# Allegro board Coral-Dev-Board-Mini-layout-Allegro.brd (continued)
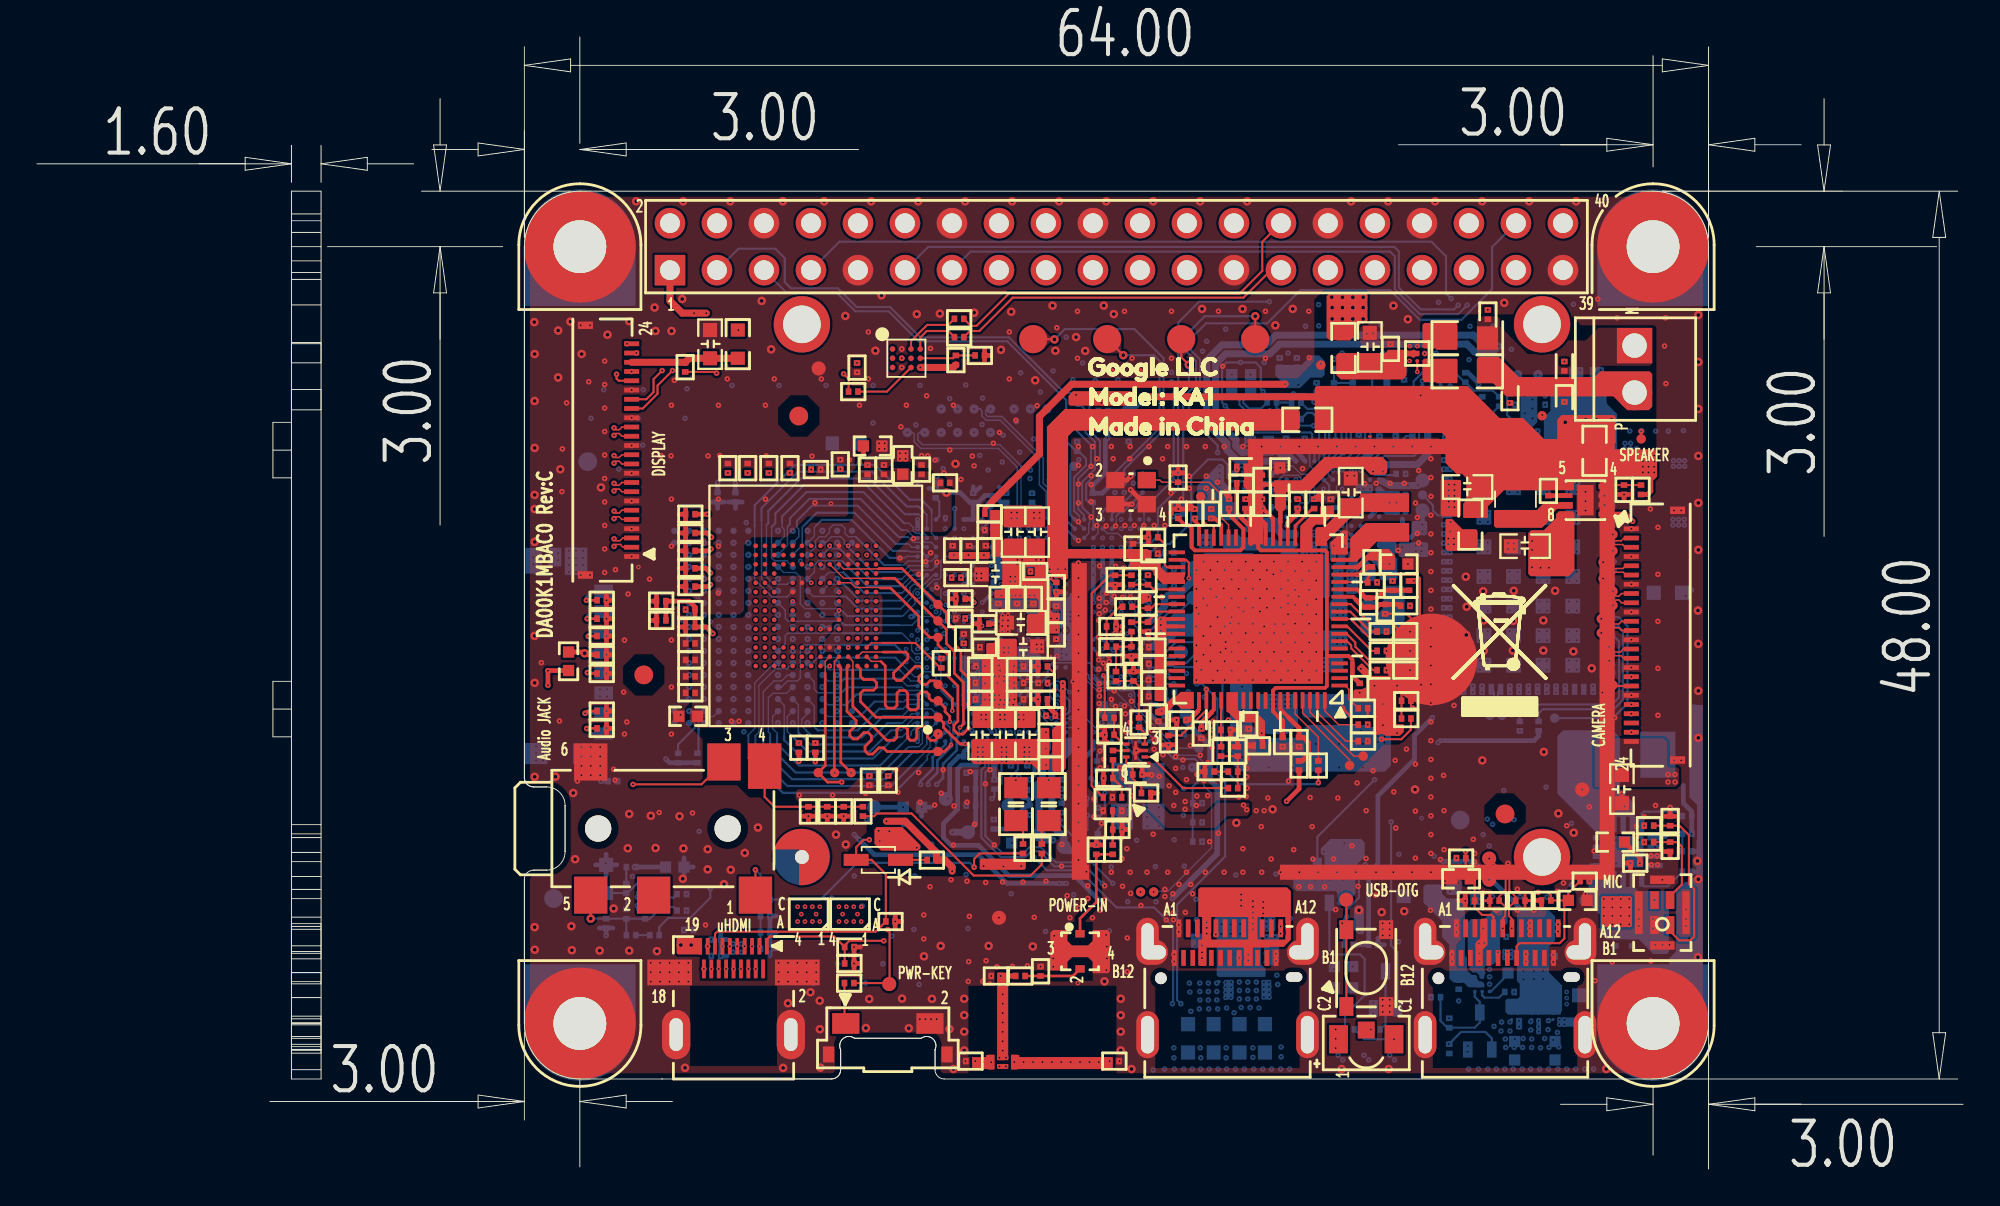
[diagram p0: board, top side]
## Routing (per net, layer and track width the routed paths; a pad name or vN(x,y) marks a point on that pad's centre or on a via; arc(x,y) is an arc through that point) (continued)
N18396783: length 38.4
  L03_IN1 w0.089: v2(63.71,12.68) 63.71,11.94 66.49,9.16 68.7,9.16 69.46,9.93 v15(69.72,9.93)
  L08_IN4 w0.089: v7(76.71,16.81) 76.71,15.92 76.56,15.77 75.67,15.77 75.24,15.34 65.62,15.34 64.39,14.12 63.91,14.12 63.63,13.84 63.63,12.34 61.75,10.46 61.75,9.49 62.13,9.11 62.13,8.82 62.03,8.72 62.03,8.43 62.31,8.15 66.59,8.15 67.8,9.36 69.15,9.36 v15(69.72,9.93) 69.85,9.8 v9(70.11,9.8)
N18396799: length 37.7
  L03_IN1 w0.089: v2(64.96,11.41) 64.96,11 66.54,9.42 68.58,9.42 v15(69.72,10.56)
  L08_IN4 w0.089: v15(69.72,10.56) 69.97,10.82 v9(70.1,10.82) 70.41,10.5 70.41,8.93 71.26,8.09 73.12,8.09 74.6,9.56 75.46,9.56 76.7,8.33 77.57,8.33 77.8,8.1 77.8,6.58 78.24,6.14 82.48,6.14 82.83,6.5 82.83,8.53 86.64,12.34 86.64,15.11 86.18,15.56 v7(83.9,15.56)

## Copper pours and planes (outline as drawn; the poured copper is in the pictures)
3.3V_A on TOP (solid shape): 61.03,29.81 61.03,28.77 61.03,28.77 61.03,28.37 61.03,27.51 61.03,27.51 61.03,27.17 61.03,27.17 61.03,26.63 61.02,26.63 61.02,25.41 60.91,25.29 60.52,25.29 60.51,25.31 60.44,25.31 60.4,25.34 60.4,26.69 60.4,29.51 60.4,29.51 60.4,29.61 60.66,29.87 60.98,29.87
3.3V_A on TOP (solid shape): 68.25,40.97 68.25,40.05 68.12,39.92 56.03,39.92 55.72,39.62 55.72,31.95 55.65,31.87 55.38,31.87 55.35,31.88 55.34,31.91 55.34,31.95 54.96,31.95 54.96,31.99 54.89,32.14 54.75,32.2 54.73,32.2 54.58,32.35 54.58,34.57 54.59,34.57 54.59,34.64 54.6,34.65 54.6,35.75 54.58,35.76 54.58,40.13 55.55,41.09 68.12,41.09
3.3V_A on TOP (solid shape): 55.67,33.52 60.02,33.52 60.08,33.46 60.21,33.46 60.22,33.45 60.22,33 60.26,32.97 60.27,32.96 60.7,32.96 60.73,32.92 60.73,32.55 61.02,32.25 62.02,32.25 62.05,32.23 62.05,32.1 62,31.94 62.05,31.79 62.05,31.67 62.02,31.64 61.11,31.64 61.08,31.62 60.85,31.62 60.85,31.62 60.33,32.14 60.33,32.27 60.25,32.36 60.24,32.36 60.17,32.43 59.17,32.43 59.04,32.56 59.04,32.99 59.02,33.02 55.7,33.02 55.39,32.71 55.14,32.96 55.14,33.4 55.47,33.73
3.3V_A on L03_IN1 (solid shape): 60.89,29.79 60.89,29.03 60.81,28.95 59.82,28.95 59.77,29 59.77,29.82 59.82,29.86 60.81,29.86
3.3V_A on L03_IN1 (solid shape): 56.35,32.23 56.35,31.49 56.16,31.3 55.64,31.3 54.98,31.95 54.98,32.09 54.84,32.23 54.68,32.23 54.55,32.36 54.55,32.53 54.64,32.62 55.96,32.62
3V_SYSTEM on TOP (solid shape): 79.03,40.61 80.31,40.61 82.01,38.91 87.4,38.91 87.56,38.75 87.56,37.43 87.38,37.26 83.24,37.26 83.06,37.08 83.06,36.75 83.01,36.7 79.28,36.7 78.41,35.83 78.41,35.25 78.36,35.2 77.12,35.2 77.09,35.23 77.09,35.98 77.24,36.14 77.24,37.36 77.01,37.59 76.71,37.59 76.12,38.18 76.12,39.62 75.94,39.8 69.24,39.8 69.06,39.98 69.06,42.24 69.16,42.34 77.31,42.34
3V_SYSTEM on TOP: 87.91,23.28 88.09,23.11 88.11,23.08 88.11,21.81 88.22,21.71 88.66,21.71 88.74,21.63 88.74,20.84 88.56,20.66 84.24,20.66 84.18,20.72 84.18,23.16 84.3,23.28
3V_SYSTEM on L03_IN1: outline of 119 points within 61.08,6.27 89.38,39.87
3V_SYSTEM on L04_IN2: 86.34,11.58 86.34,11.25 83.8,8.71 82.2,8.71 82.09,8.81 82.09,9.85 82.26,10.01 82.74,10.01 82.75,10.03 82.78,10 83.36,10 85.45,12.08 85.83,12.08
DVDD11 on TOP (solid shape): 70.1,35.83 70.1,35.43 69.52,34.84 69.11,34.84 68.98,34.71 68.97,34.7 68.93,34.67 68.93,33.4 68.91,33.37 68.31,33.37 68.28,33.38 68.27,33.41 68.27,34.76 68.91,35.4 69.31,35.4 69.34,35.43 69.34,35.78 69.41,35.86 70.07,35.86
DVDD18_EMI on BOTTOM: 31.78,36.47 36.4,41.09 43.13,41.09 43.41,40.81 43.41,38.73 43.21,38.53 37.42,38.53 35.98,37.09 35.98,36.58 36.35,36.21 38.46,36.21 38.57,36.1 38.57,34.42 38.38,34.23 35.97,34.23 35.41,34.79 34.11,34.79 33.5,34.18 33.5,22.27 34.11,21.66 35.79,21.66 35.92,21.79 35.92,24.17 36.04,24.3 38.53,24.3 38.61,24.23 38.61,24 38.41,23.79 38.41,23.62 38.22,23.43 38.22,20.53 37.95,20.26 32.64,20.26 31.78,21.13
GND on TOP (solid shape): 47.75,17.5 47.75,17.34 47.62,17.22 45.61,17.22 45.26,17.57 45.26,18.36 45.39,18.49 46.76,18.49
GND on TOP (solid shape): 54.47,35.7 54.47,34.7 54.46,34.69 52.29,34.69 52.23,34.75 52.23,35.77 52.34,35.88 54.29,35.88
GND on TOP (solid shape): 53.44,16.71 53.44,16.26 53.36,16.18 51.01,16.18 50.95,16.24 50.95,16.7 51.03,16.78 53.37,16.78
GND on TOP (solid shape): 59.18,41.98 59.18,41.35 59.1,41.27 55.83,41.27 55.75,41.35 55.75,41.8 56,42.05 59.11,42.05
GND on TOP (solid shape): 70.84,34.44 70.84,33.25 70.83,33.24 69.98,33.24 69.97,33.25 69.97,33.59 69.92,33.64 69.92,33.87 70.59,34.54 70.74,34.54
GND on TOP (solid shape): 54.71,23.81 54.71,21.61 54.67,21.58 54.07,21.58 53.75,21.89 50.65,21.89 50.5,22.04 50.5,23.15 50.61,23.26 54.05,23.26 54.17,23.37 54.17,23.75 54.27,23.85 54.66,23.85
GND on TOP (solid shape): 75.86,37.21 75.91,37.28 75.99,37.26 75.99,37.26 76.88,37.26 76.96,37.18 76.96,36.09 76.96,36.09 76.96,35.33 76.91,35.28 75.97,35.28 75.86,35.39
GND on TOP (solid shape): 55.65,12.92 55.67,12.91 55.68,12.89 55.68,12.33 55.92,12.08 56.82,12.08 57.06,12.33 57.06,12.89 57.07,12.91 57.09,12.92 57.83,12.92 57.98,12.77 57.98,10.69 57.88,10.59 57.09,10.59 57.07,10.6 57.06,10.63 57.06,11.21 56.82,11.46 55.92,11.46 55.68,11.21 55.68,10.77 55.67,10.74 55.65,10.73 54.8,10.73 54.77,10.74 54.76,10.77 54.76,12.77 54.91,12.92
GND on TOP (solid shape): 72.14,26.81 72.14,26.81 72.14,26.66 73.88,26.66 73.95,26.59 73.95,26.23 73.57,25.85 73.46,25.85 73.46,24.17 73.47,24.17 73.47,24.05 73.86,24.05 73.86,23.63 73.66,23.42 72.88,23.42 72.77,23.5 72.64,23.52 72.54,23.51 72.45,23.46 72.31,23.46 72.31,23.48 72.31,25.14 72.21,25.24 71.32,25.24 71.14,25.42 71.14,25.85 71.22,25.93 71.8,25.93 71.83,25.95 71.83,26.54 71.35,27.02 71.35,27.12 71.55,27.32 71.63,27.32
GND on BOTTOM (solid shape): 75.19,33.8 75.19,33.14 75.13,33.09 73.66,33.09 73.61,33.14 73.61,33.83 73.66,33.88 75.11,33.88
GND on BOTTOM (solid shape): 71.15,33.46 71.18,33.45 71.23,33.4 71.23,33.1 71.41,32.92 71.41,31.23 71.27,31.09 70.79,31.09 70.77,31.11 70.77,32.54 70.88,32.65 70.88,33.33 71.01,33.46
GND on BOTTOM (solid shape): 71.76,17.64 71.76,16.88 71.26,16.39 71.26,14.87 70.62,14.23 70.38,14.23 70.27,14.35 70.27,14.94 70.18,15.02 68.06,15.02 67.89,15.2 67.89,15.79 68.01,15.91 68.5,15.91 68.6,15.82 69.58,15.82 69.58,16.96 69.49,16.96 69.38,17.07 69.38,17.33 69.9,17.84 71.55,17.84
GND on BOTTOM (solid shape): 64.87,31.77 64.87,31.11 64.66,30.91 64.66,29.15 64.99,28.82 65.38,28.82 65.68,28.52 65.68,23.97 66.34,23.31 67.99,23.31 68.68,24 72,24 72.09,23.91 73.1,23.91 73.17,23.84 73.17,21.8 72.85,21.48 65.01,21.48 64.48,22.02 64.48,28.66 64,29.14 64,31.08 64.38,31.47 64.38,31.85 64.41,31.87 64.77,31.87
GND on BOTTOM (solid shape): 89.66,25.09 90,25.09 90.02,25.08 90.03,25.05 90.03,9.84 90.02,9.81 90,9.8 88.62,9.8 88.21,10.21 88.21,11.39 88.57,11.76 88.57,15.03 89.06,15.52 89.3,15.52 89.68,15.9 89.49,16.48 89.49,16.77 89.69,16.97 89.69,17.8 89.72,17.83 89.72,19.67 89.3,20.09 89.3,25.12 89.63,25.12
GND on BOTTOM (solid shape): 67.11,35.13 67.11,34.99 67.28,34.82 67.29,34.79 67.39,34.56 67.65,34.54 67.66,34.54 67.92,34.54 67.93,34.54 68,34.52 68.08,34.52 68.1,34.52 68.12,34.51 68.18,34.44 68.18,34.19 68.08,34.09 67.22,34.09 66.87,34.44 65.35,34.44 65.32,34.46 65.32,35.17 65.37,35.22 67.02,35.22
GND on BOTTOM (solid shape): 69.76,33.83 69.76,33.74 69.76,33.52 69.76,33.32 69.76,33.26 69.76,33.2 69.76,32.98 69.8,32.85 69.81,32.84 69.81,32.8 69.89,32.73 69.89,30.95 69.81,30.88 69.26,30.88 69.22,30.91 69.22,32.61 69.35,32.75 69.35,33.81 69.47,33.93 69.66,33.93
GND on BOTTOM (solid shape): 50.49,27.6 51.24,27.6 51.36,27.48 51.36,26.67 51.36,26.64 51.36,26.6 51.36,26.57 51.36,26.17 51.36,26.14 51.36,26.1 51.36,26.07 51.36,25.67 51.36,25.64 51.36,25.6 51.36,25.57 51.36,25.17 51.36,25.14 51.36,25.1 51.36,25.02 51.21,24.86 50.16,24.86 49.96,25.07 49.96,27.14 50.36,27.14 50.36,27.1 50.37,27.06 50.38,27.02 50.41,26.98 50.43,26.95 50.47,26.92 50.51,26.9 50.55,26.89 50.59,26.89 50.63,26.89 50.67,26.9 50.71,26.92 50.74,26.95 50.77,26.98 50.79,27.02 50.81,27.06 50.82,27.1 50.82,27.14 50.81,27.18 50.79,27.22 50.77,27.26 50.74,27.29 50.71,27.31 50.67,27.33 50.63,27.34 50.59,27.35 50.55,27.34 50.51,27.33 50.47,27.31 50.43,27.29 50.41,27.26 50.38,27.22 50.37,27.18 50.36,27.14 49.96,27.14 49.96,27.73 49.99,27.76 50.33,27.76
GND on L03_IN1 (solid shape): 54.71,30.17 54.71,30.02 54.53,29.84 52.88,29.84 52.57,29.54 52.09,29.54 52.04,29.59 52.04,30.27 52.08,30.31 52.72,30.31 52.82,30.31 52.92,30.34 52.93,30.34 53.1,30.34 53.11,30.34 53.24,30.3 53.38,30.34 53.39,30.34 53.81,30.34 53.82,30.34 53.95,30.3 54.09,30.34 54.1,30.34 54.25,30.34 54.26,30.35 54.53,30.35
GND on L03_IN1 (solid shape): 52.26,30.33 52.33,30.33 52.46,30.33 52.47,30.34 52.64,30.34 52.65,30.34 52.73,30.31 52.81,30.31 52.85,30.33 52.9,30.34 52.93,30.34 53.1,30.34 53.11,30.34 53.2,30.31 53.3,30.31 53.33,30.32 53.39,30.34 53.81,30.34 53.85,30.32 53.91,30.33 53.95,30.33 54,30.33 54.05,30.32 54.1,30.34 54.25,30.34 54.26,30.35 54.53,30.35 54.71,30.17 54.71,30.02 54.53,29.84 52.88,29.84 52.57,29.53 52.52,29.53 52.48,29.53 52.44,29.53 52.09,29.53 52.04,29.59 52.04,30.27 52.12,30.35 52.22,30.35
GND on L03_IN1 (solid shape): 69.69,13 69.69,10.92 69.67,10.91 69.62,10.9 69.57,10.88 69.52,10.86 69.48,10.83 69.44,10.79 69.41,10.74 69.39,10.7 69.37,10.65 69.36,10.59 69.36,10.54 69.37,10.49 69.38,10.46 68.5,9.59 66.62,9.59 65.84,10.37 67.24,10.37 67.24,10.31 67.25,10.25 67.27,10.19 67.3,10.13 67.33,10.08 67.37,10.03 67.42,9.98 67.47,9.94 67.53,9.91 67.59,9.89 67.65,9.87 67.72,9.86 67.75,9.86 68.13,9.86 68.16,9.86 68.23,9.87 68.29,9.89 68.35,9.91 68.4,9.94 68.46,9.98 68.5,10.03 68.54,10.08 68.58,10.13 68.61,10.19 68.62,10.25 68.63,10.31 68.64,10.36 68.62,10.5 68.61,10.56 68.58,10.62 68.54,10.67 68.5,10.72 68.46,10.77 68.41,10.81 68.35,10.84 68.29,10.86 68.23,10.88 68.16,10.89 68.13,10.89 67.75,10.89 67.72,10.89 67.65,10.88 67.59,10.86 67.53,10.84 67.47,10.81 67.42,10.77 67.37,10.72 67.33,10.67 67.3,10.61 67.27,10.55 67.25,10.49 67.24,10.37 65.84,10.37 65.74,10.46 65.74,11.27 65.74,11.33 65.74,11.53 65.74,11.6 65.74,12.42 66.93,13.61 69.08,13.61
GND on L03_IN1 (solid shape): outline of 184 points within 78.23,10.31 80.36,14.15
GND on L04_IN2 (solid shape): 77.19,37.94 77.32,37.81 77.32,35.76 77.14,35.58 76.2,35.58 76.13,35.66 76.13,37.85 76.22,37.94 77.09,37.94
GND on L04_IN2 (solid shape): 74.13,26.67 74.17,26.66 74.19,26.64 74.2,26.62 74.21,26.59 74.21,26.57 74.19,26.54 73.71,26.06 73.71,25.7 73.86,25.55 74.24,25.55 74.62,25.92 74.65,25.94 74.68,25.95 74.7,25.94 74.72,25.93 74.74,25.91 74.75,25.87 74.75,23.83 74.74,23.81 74.71,23.79 72.35,23.79 72.32,23.81 72.31,23.83 72.31,24.91 74.09,24.91 74.09,24.87 74.1,24.82 74.12,24.78 74.15,24.74 74.18,24.7 74.22,24.67 74.26,24.65 74.31,24.64 74.36,24.63 74.4,24.63 74.45,24.64 74.49,24.66 74.53,24.69 74.57,24.72 74.6,24.76 74.62,24.8 74.64,24.84 74.65,24.89 74.65,24.94 74.64,24.98 74.62,25.03 74.6,25.07 74.57,25.11 74.53,25.14 74.49,25.16 74.45,25.18 74.4,25.19 74.36,25.19 74.31,25.19 74.26,25.17 74.22,25.15 74.18,25.12 74.15,25.09 74.12,25.05 74.1,25.01 74.09,24.96 74.09,24.91 72.31,24.91 72.31,26.63 72.32,26.65 72.35,26.67
GND on L05_POW (solid shape): 71.22,33.8 71.22,33.17 71.07,33.02 69.16,33.02 68.96,33.22 68.96,34.31 69.06,34.41 69.08,34.42 69.1,34.42 69.44,34.52 69.53,34.86 69.53,34.88 69.54,34.89 69.59,34.95 70.07,34.95
GND on L05_POW (solid shape): 52.19,30.34 52.33,30.31 52.46,30.34 52.64,30.34 52.65,30.34 52.78,30.3 52.92,30.34 52.93,30.34 53.1,30.34 53.11,30.34 53.24,30.3 53.38,30.34 53.39,30.34 53.81,30.34 53.82,30.34 53.95,30.3 54.09,30.34 54.1,30.34 54.42,30.34 54.54,30.23 54.54,30 54.36,29.83 52.92,29.83 52.61,29.52 52.14,29.52 52.06,29.6 52.06,30.26 52.13,30.34
GND on L05_POW (solid shape): 50.92,27.19 50.95,27.18 50.96,27.15 50.96,25.41 50.75,25.2 50.62,25.2 50.31,25.41 50.07,25.13 49.79,25.13 49.43,25.49 49.42,25.6 49.39,25.68 49.39,25.85 49.74,26.2 49.75,26.2 49.86,26.28 49.93,26.39 49.94,26.4 50.02,26.48 50.02,26.51 50.7,27.19
GND on L05_POW (solid shape): outline of 223 points within 48.21,33.78 51.38,36.29
GND on L05_POW (solid shape): outline of 286 points within 59.26,22.83 66.75,36.16
GND on L07_IN3 (solid shape): 66.17,26.1 69.13,26.1 70.27,24.96 70.28,24.91 70.28,24.87 70.29,24.83 70.3,24.79 70.33,24.75 70.36,24.72 70.39,24.69 70.43,24.66 70.47,24.65 70.52,24.64 70.56,24.63 70.61,24.64 70.65,24.64 71.5,23.79 71.5,23.29 71.3,23.09 68.09,23.09 67.51,23.67 63.99,23.67 63.31,24.35 63.31,25.36 63.53,25.57 63.53,26.01 63.65,26.01 63.65,24.61 63.98,24.28 67.99,24.28 68.32,24.61 68.32,25.58 68.1,25.8 65.68,25.8 65.3,26.18 63.82,26.18 63.79,26.14 63.77,26.13 63.73,26.1 63.7,26.07 63.69,26.05 63.65,26.01 63.53,26.01 63.53,26.36 63.69,26.53 64.4,26.53 64.4,26.53 65.74,26.53
GND on L07_IN3 (solid shape): outline of 150 points within 57.63,22.95 60.28,25.16
GND on L07_IN3 (solid shape): 58.32,25.29 58.38,25.27 58.56,25.17 58.75,25.21 58.82,25.21 58.87,25.16 58.97,25 59.16,24.94 59.23,24.86 59.23,24.65 59.21,24.58 59.21,24.52 59.21,24.5 59.2,24.49 59.05,24.33 59.04,24.33 58.97,24.28 58.92,24.21 58.92,24.21 58.81,24.1 58.8,24.09 58.62,24.08 58.48,24 58.42,23.97 58.37,24 58.09,24.09 57.87,23.92 57.86,23.91 57.84,23.89 57.67,23.89 57.64,23.9 57.63,23.93 57.63,24.14 57.65,24.19 57.7,24.22 57.82,24.24 57.91,24.31 57.97,24.34 58.02,24.31 58.55,24.52 58.02,24.73 57.97,24.7 57.91,24.73 57.79,24.81 57.65,24.82 57.62,24.84 57.61,24.86 57.62,24.89 57.62,25.02 57.61,25.04 57.59,25.17 57.69,25.24 57.73,25.25 57.76,25.27 57.79,25.28 57.81,25.27 58.04,25.17
GND on L07_IN3 (solid shape): outline of 566 points within 60.27,26.06 70.68,40.81
GND on L08_IN4 (solid shape): 71.15,33.46 71.18,33.45 71.23,33.4 71.23,33.1 71.41,32.92 71.41,31.64 71.29,31.53 70.87,31.53 70.77,31.63 70.77,32.54 70.88,32.65 70.88,33.33 71.01,33.46
GND on L08_IN4 (solid shape): 70.09,40.02 70.09,38.84 69.93,38.69 69.12,38.69 69.07,38.69 69.02,38.68 66.62,38.68 66.57,38.73 66.57,38.98 67.26,39.68 67.89,39.68 68.35,39.21 68.8,39.21 69.01,39.42 69.01,39.8 68.71,40.1 68.18,40.1 68.05,40.23 68.05,40.42 68.12,40.48 68.12,41.45 67.64,41.93 67.64,42.08 67.71,42.16 67.95,42.16
GND on L08_IN4 (solid shape): 69.76,33.88 69.77,33.86 69.77,33.84 69.76,33.75 69.76,33.52 69.76,33.32 69.76,33.26 69.76,33.2 69.76,32.98 69.8,32.85 69.81,32.84 69.81,32.8 69.89,32.73 69.89,30.95 69.81,30.88 69.26,30.88 69.22,30.91 69.22,32.61 69.35,32.75 69.35,33.81 69.44,33.9 69.74,33.9
GND on TOP: 29.34,5.17 27.43,5.96 26.64,7.87 26.64,15.66 26.7,15.8 26.84,15.85 27.54,15.85 28.46,16.24 28.84,17.16 28.84,19.66 28.46,20.58 27.54,20.96 26.84,20.96 26.7,21.02 26.64,21.16 26.64,49.87 27.43,51.77 29.34,52.56 87.34,52.56 89.24,51.77 90.03,49.87 90.03,7.87 89.24,5.96 87.34,5.17 49.03,5.17 48.89,5.23 48.84,5.37 48.84,6.39 48.61,7.28 47.7,7.37 44.27,7.37 43.36,7.28 43.13,6.39 43.13,5.37 43.07,5.23 42.93,5.17 ; 14 cut-outs
GND on TOP: 40.99,20.02 40.99,20.39 41.14,20.54 43.83,20.54 45.02,21.73 45.43,21.73 45.44,21.74 51.84,21.74 52.07,21.51 52.07,17.55 51.76,17.24 50.87,17.24 50.87,17.24 49.51,17.24 46.88,19.87 41.14,19.87
GND on BOTTOM: 76.25,22.85 81.66,22.85 81.82,22.7 81.82,20.14 83.8,18.16 83.8,18.13 83.82,18.1 86.79,18.1 86.87,18.03 86.87,17.72 87.05,17.55 88.04,17.55 88.11,17.47 88.11,16.33 88.04,16.25 85.12,16.25 85.07,16.3 85.07,17.06 84.86,17.27 83.87,17.27 83.69,17.09 83.69,13.96 84.14,13.52 84.27,13.38 84.27,12.44 84.48,12.24 86.46,12.24 86.72,11.98 86.72,11.63 87.28,11.07 90.03,11.07 90.03,7.87 89.24,5.96 87.34,5.17 69.72,5.17 69.54,5.35 69.54,6.5 69.67,6.62 73.73,6.62 74.11,7.01 74.11,9.29 73.98,9.42 73.98,11.66 73.4,12.24 73.4,17.14 73.4,17.14 73.4,20.01 ; 2 cut-outs
GND on BOTTOM: 72.39,11.93 72.31,12.01 72.31,15.74 72.54,15.97 72.82,15.97 72.94,15.84 72.94,11.98 72.89,11.93
GND on BOTTOM: 58.87,14.24 58.08,15.03 58.07,15.12 58.14,15.16 58.42,15.45 58.13,15.72 58.11,15.73 57.91,15.93 57.91,18.4 57.89,18.41 57.89,18.48 57.91,18.51 57.91,18.52 58.02,18.74 57.91,18.96 57.91,18.96 57.89,18.99 57.89,19.24 57.92,19.27 57.92,20.22 58.04,20.34 58.04,22.12 58.01,22.15 57.97,22.22 57.91,22.28 57.91,22.29 57.89,22.32 57.89,23.24 58.3,23.65 58.82,23.65 58.84,23.63 58.86,23.52 58.95,23.44 59.01,23.4 59.08,23.39 59.32,23.15 59.33,23.11 59.46,22.9 59.7,22.89 59.71,22.89 59.97,22.89 59.98,22.89 60.05,22.87 60.13,22.87 60.17,22.88 60.21,22.89 60.21,22.89 60.47,22.89 60.99,22.37 61.93,22.37 62.23,22.07 62.23,15.9 60.57,14.24
GND on BOTTOM: 61.86,26.81 61.88,26.8 61.89,26.79 61.98,26.67 62.1,26.62 62.26,26.59 62.41,26.66 62.44,26.67 62.46,26.66 62.54,26.58 62.56,26.52 62.53,26.47 62.46,26.06 62.86,26.02 62.89,26.03 62.92,26.02 63.29,25.64 63.29,23.99 63.2,23.9 62.84,23.9 61.57,25.16 61.57,25.28 61.57,25.28 61.57,25.37 61.34,25.6 61.34,25.89 61.35,25.93 61.38,25.96 61.42,25.95 61.46,25.95 61.73,26.02 61.81,26.28 61.71,26.45 61.52,26.5 61.37,26.5 61.24,26.43 61.21,26.42 60.97,26.42 60.85,26.54 60.85,26.68 60.98,26.81
GND on BOTTOM: 33.05,15.09 33.17,14.97 33.17,13.98 33.04,13.85 32.55,13.85 32.07,14.33 32.07,14.65 32.51,15.09
GND on BOTTOM: 84.33,39.06 84.48,38.91 84.48,26.79 84.28,26.59 82.98,26.59 82.81,26.41 82.81,25.37 82.7,25.27 80.37,25.27 79.96,24.86 79.96,24.56 79.81,24.4 79.81,23.79 79.53,23.51 76.05,23.51 75.71,23.86 75.71,34.93 75.82,35.05 76.56,35.05 76.68,35.17 76.68,38.98 76.76,39.06
GND on BOTTOM: 73.8,36.61 73.81,36.62 74.3,36.62 74.37,36.55 74.37,35.25 74.12,35.01 73.67,35.01 73.63,35.05 73.63,35.17 73.8,35.34
GND on BOTTOM: outline of 184 points within 26.63,5.16 90.05,52.58 ; 3 cut-outs
GND on L02_GND1: outline of 175 points within 26.64,5.17 90.03,52.56 ; 1 cut-out
GND on L03_IN1: 29.34,5.17 27.43,5.96 26.64,7.87 26.64,15.88 26.92,16.15 28.13,16.15 28.77,16.79 28.77,17.55 28.29,18.18 27.54,18.42 26.84,18.42 26.7,18.48 26.64,18.62 26.64,49.87 27.43,51.77 29.34,52.56 87.34,52.56 89.24,51.77 90.03,49.87 90.03,7.87 89.24,5.96 87.34,5.17 58.38,5.17 58.35,5.18 58.34,5.21 58.34,9.9 50.34,9.9 50.34,5.21 50.33,5.18 50.3,5.17 ; 15 cut-outs
GND on L04_IN2: 29.34,5.17 27.43,5.96 26.64,7.87 26.64,13.01 26.64,13.01 26.64,49.87 27.43,51.77 29.34,52.56 87.34,52.56 87.55,52.55 87.77,52.53 87.77,52.52 88.05,52.45 88.32,52.34 88.77,52.1 89.18,51.79 89.52,51.42 89.78,50.98 89.96,50.44 90.02,49.88 90.02,46.95 90.03,46.95 90.03,7.87 89.24,5.96 87.34,5.17 58.44,5.17 58.34,5.28 58.34,9.9 50.34,9.9 50.34,5.25 50.26,5.17 ; 3 cut-outs
GND on L05_POW: 29.34,5.17 27.43,5.96 26.64,7.87 26.64,49.87 27.43,51.77 29.34,52.56 87.34,52.56 89.24,51.77 90.03,49.87 90.03,7.87 89.24,5.96 87.34,5.17 58.38,5.17 58.35,5.18 58.34,5.21 58.34,9.9 50.34,9.9 50.34,5.21 50.33,5.18 50.3,5.17 ; 1 cut-out
GND on L05_POW: 85.87,24.7 85.9,24.63 85.9,23.92 85.85,23.85 85.77,23.87 85.16,23.61 85.77,23.36 85.85,23.38 85.9,23.31 85.9,20.9 85.74,20.75 80.94,20.75 79.06,18.87 76.47,18.87 76.15,19.2 76.15,26.15 79.11,29.12 85.22,29.12 85.9,28.44 85.9,26.86 85.84,26.79 85.76,26.82 85.11,26.61 85.76,26.41 85.84,26.44 85.9,26.37 85.9,25.76 85.82,25.63 85.81,25.48 85.79,25.41 85.72,25.39 85.32,25 85.8,24.71
GND on L06_GND2: 29.34,5.17 27.43,5.96 26.64,7.87 26.64,49.87 27.43,51.77 29.34,52.56 87.34,52.56 89.24,51.77 90.03,49.87 90.03,7.87 89.24,5.96 87.34,5.17 58.44,5.17 58.34,5.27 58.34,9.9 52.49,9.9 51.89,9.9 50.34,9.9 50.34,5.2 50.31,5.17 ; 3 cut-outs
GND on L07_IN3: 49.86,26.41 49.88,26.49 49.86,26.57 49.86,26.66 50.27,27.07 51.24,27.07 51.29,27.02 51.29,24.16 51.02,23.89 50.83,23.89 50.76,23.93 50.76,24.01 50.59,24.32 50.42,24.01 50.42,23.93 50.35,23.89 50.04,23.89 49.86,24.07
GND on L07_IN3: 79.25,42.89 78.46,42.89 78.31,43.05 78.31,43.06 78.17,43.06 76.84,44.39 76.84,44.49 75.23,46.1 75.23,46.86 75.57,47.2 83.45,47.2 83.45,47.2 83.76,47.2 84.2,46.76 84.2,46.04 83.47,45.31 83.47,45.28 83.34,45.16 82.91,45.16 82.09,45.97 79.86,45.97 79.28,45.38 79.28,45.36 79.2,45.28 79.2,44.98 79.75,44.43 79.75,43.39
GND on L07_IN3: 74.65,16.99 74.04,17.6 74.04,22.27 74.3,22.52 74.3,22.78 74.55,23.03 75.26,23.03 75.62,23.39 75.62,23.57 75.29,23.9 74.98,23.9 73.86,25.01 73.86,32.99 74.25,33.37 80.47,33.37 80.55,33.29 80.55,32.66 80.72,32.48 81.82,32.48 81.97,32.63 81.97,33.32 82.02,33.37 84.74,33.37 84.99,33.12 84.99,32.33 85.32,32.33 85.6,32.61 86.62,32.61 86.84,32.38 86.84,27.2 85.55,25.9 85.55,25.01 83.11,22.57 82.12,22.57 76.54,16.99
GND on L07_IN3: 90.03,7.87 89.24,5.96 87.34,5.17 58.38,5.17 58.35,5.18 58.34,5.21 58.34,9.88 58.34,9.9 52.49,9.9 51.89,9.9 50.34,9.9 50.34,5.25 50.26,5.17 29.34,5.17 27.43,5.96 26.64,7.87 26.64,49.87 26.7,50.4 26.85,50.9 27.84,52.11 29.34,52.56 87.34,52.56 89.24,51.77 90.03,49.87 ; 5 cut-outs
GND on L08_IN4: 58.48,42.29 57.59,43.18 57.59,46.39 57.41,46.58 57.41,47.09 57.59,47.26 58.06,47.26 58.94,46.38 58.94,44.93 59.4,44.47 59.42,44.47 59.86,44.03 59.86,42.48 59.67,42.29
GND on L08_IN4: 51.65,28.91 51.43,28.68 51.42,28.66 51.4,28.65 51.25,28.65 51.04,28.85 51.04,29.53 50.94,29.63 50.94,30.2 51.09,30.34 51.36,30.34 51.4,30.31 52.28,30.31 52.33,30.31 52.78,30.31 53.24,30.31 53.29,30.31 53.91,30.31 53.95,30.31 54,30.31 54.65,30.31 54.72,30.24 55.15,30.24 55.22,30.17 55.22,28.58 55.12,28.49 54.91,28.49 54.85,28.43 54.81,28.39 54.78,28.36 54.71,28.28 54.71,27.98 54.55,27.82 54.18,27.82 53.77,28.23 53.74,28.27 53.7,28.3 53.62,28.39 52.39,28.39 52.28,28.49 52.27,28.51 52.27,28.53 52.26,28.73 51.98,28.82 51.95,28.83
GND on L08_IN4: 50.59,24.82 50.42,24.73 50.4,24.71 50.38,24.71 49.71,24.71 49.45,24.96 49.45,25.54 49.84,25.93 49.84,26.36 49.88,26.49 49.84,26.62 49.83,26.65 49.84,26.67 50.01,26.84 50.62,26.84 50.78,27.01 51.16,27.01 51.27,26.9 51.27,25.03 50.95,24.71 50.79,24.71 50.77,24.71 50.76,24.73
GND on L08_IN4: outline of 157 points within 56.39,22.96 63.14,27.13
GND on L08_IN4: 90.03,7.87 89.24,5.96 87.34,5.17 29.34,5.17 27.43,5.96 26.64,7.87 26.64,49.87 27.43,51.77 29.34,52.56 87.34,52.56 89.24,51.77 90.03,49.87 ; 6 cut-outs
GND on L08_IN4: 54.74,24.07 55.4,24.07 55.75,23.72 55.75,23.44 56.67,22.52 57.81,22.52 58.42,21.91 59.79,21.91 60,21.71 60,21.25 59.23,20.49 58.07,20.49 57.2,21.36 56.11,21.36 54.28,23.18 54.28,23.62
GND on L08_IN4: 47.78,41.88 48.57,41.09 48.57,38.73 50.12,37.18 50.12,36.44 51.21,35.35 51.21,34.46 52.45,33.22 52.45,32.84 51.56,31.95 46.84,31.95 43.26,35.53 35.97,35.53 34.72,34.28 34.72,25.22 36.5,23.44 41.33,23.44 42.55,24.66 49.4,24.66 49.66,24.4 49.66,24 49.68,23.97 49.96,23.97 50.01,23.92 50.01,22.5 49.63,22.12 49.63,21.05 48.8,20.21 48.01,20.21 47.07,19.27 43.99,19.27 43.21,20.06 38.91,20.06 38.48,20.49 31.98,20.49 28.42,24.05 28.42,27.53 28.04,27.91 28.04,40.46 29.47,41.88
GND on L09_IN5: 29.34,5.17 27.43,5.96 26.64,7.87 26.64,22.24 26.64,22.25 26.64,49.87 27.43,51.77 29.34,52.56 87.34,52.56 87.76,52.53 88.18,52.43 88.38,52.36 88.57,52.27 89.24,51.77 89.74,51.1 89.88,50.78 89.97,50.44 90.02,50.16 90.03,49.87 90.03,7.87 90.02,7.6 89.98,7.33 89.04,5.78 87.34,5.17 58.47,5.17 58.34,5.3 58.34,9.93 50.36,9.93 50.34,9.9 50.34,5.2 50.31,5.17 ; 4 cut-outs
VBUS on TOP (solid shape): 86.2,14.68 86.2,13.15 86.13,13.08 84.58,13.08 84.53,13.13 84.53,14.68 84.6,14.75 86.13,14.75
VBUS on TOP (solid shape): 35.94,12.47 35.94,11.63 35.91,11.6 34.64,11.6 34.57,11.68 34.57,12.47 34.59,12.49 35.91,12.49
VBUS on TOP (solid shape): 71.9,47.26 71.9,45.84 71.8,45.74 71.58,45.74 71.38,45.54 71.38,45.22 70.99,44.83 69.85,44.83 69.69,44.98 69.69,47.19 69.87,47.37 71.8,47.37
VBUS on TOP (solid shape): 83.09,35.45 83.09,32.35 82.78,32.05 80.72,32.05 80.6,32.18 80.6,34.39 80.75,34.54 81.43,34.54 82.09,35.2 82.09,35.4 82.26,35.56 82.98,35.56
VBUS on BOTTOM (solid shape): 67.13,12.64 67.13,11.2 66.95,11.01 66.42,11.01 66.32,11.11 66.32,12.64 66.37,12.69 67.08,12.69
VBUS on BOTTOM (solid shape): 84.91,16.48 84.91,16.23 85.04,16.1 85.32,16.1 85.35,16.09 85.36,16.06 85.36,15.26 85.58,15.26 85.58,16.06 85.6,16.09 85.62,16.1 85.82,16.1 85.85,16.09 85.86,16.06 85.86,15.26 86.08,15.26 86.08,16.06 86.1,16.09 86.12,16.1 86.33,16.1 86.36,16.07 86.36,15.21 86.54,15.03 88.09,15.03 88.19,14.93 88.19,11.73 88.09,11.63 87.35,11.63 86.56,12.41 84.81,12.41 84.46,12.77 84.46,13.76 83.85,14.37 83.85,16.43 83.95,16.53 84.86,16.53
VBUS on BOTTOM: 61.7,7.44 61.6,7.54 61.6,8.45 61.77,8.63 61.98,8.63 62.08,8.73 62.08,10.13 62.16,10.21 63.89,10.21 63.96,10.13 63.96,9.09 64.12,8.93 64.6,8.93 64.8,9.14 64.8,10.21 64.86,10.26 65.97,10.26 66.05,10.18 66.04,10.06 66.05,10 66.05,9.86 66.04,9.8 66.05,9.74 66.05,9.61 66.04,9.55 66.05,9.49 66.05,9.36 66.04,9.29 66.05,9.23 66.05,9.01 66.15,8.91 66.75,8.91 66.91,8.76 66.91,7.49 66.85,7.44
VBUS on BOTTOM: 79.14,6.92 78.46,7.59 78.46,8.12 78.51,8.17 79.73,8.17 79.78,8.12 79.78,7.54 79.91,7.41 80.32,7.41 80.39,7.49 80.39,8.12 80.44,8.17 80.85,8.17 80.88,8.15 80.88,7.26 81,7.13 81.28,7.13 81.43,7.28 81.43,8.15 81.46,8.17 81.97,8.17 81.99,8.15 81.99,7.61 82.07,7.54 82.58,7.54 82.75,7.36 82.75,6.57 82.53,6.34 79.28,6.34 79.14,6.48
VBUS on BOTTOM: 69.72,47.34 71.81,47.34 71.91,47.24 71.91,45.82 71.81,45.71 69.85,45.71 69.65,45.92 69.65,47.26
VBUS on BOTTOM: 38.23,11.49 38.08,11.34 36.83,11.34 36.81,11.36 36.81,12.73 36.63,12.91 36.63,13.8 36.71,13.88 38.13,13.88 38.23,13.78
VBUS on BOTTOM: 36.1,12.71 36.2,12.81 37.72,12.81 37.9,12.99 37.9,13.7 37.72,13.88 35.92,13.88 35.32,13.28 35.32,12.76 35.27,12.71 35.12,12.56 34.65,12.56 34.59,12.51 34.59,11.85 34.71,11.73 35.84,11.73 36.1,11.99